# KiCad board engine-control-unit_prototype.kicad_pcb (continued)
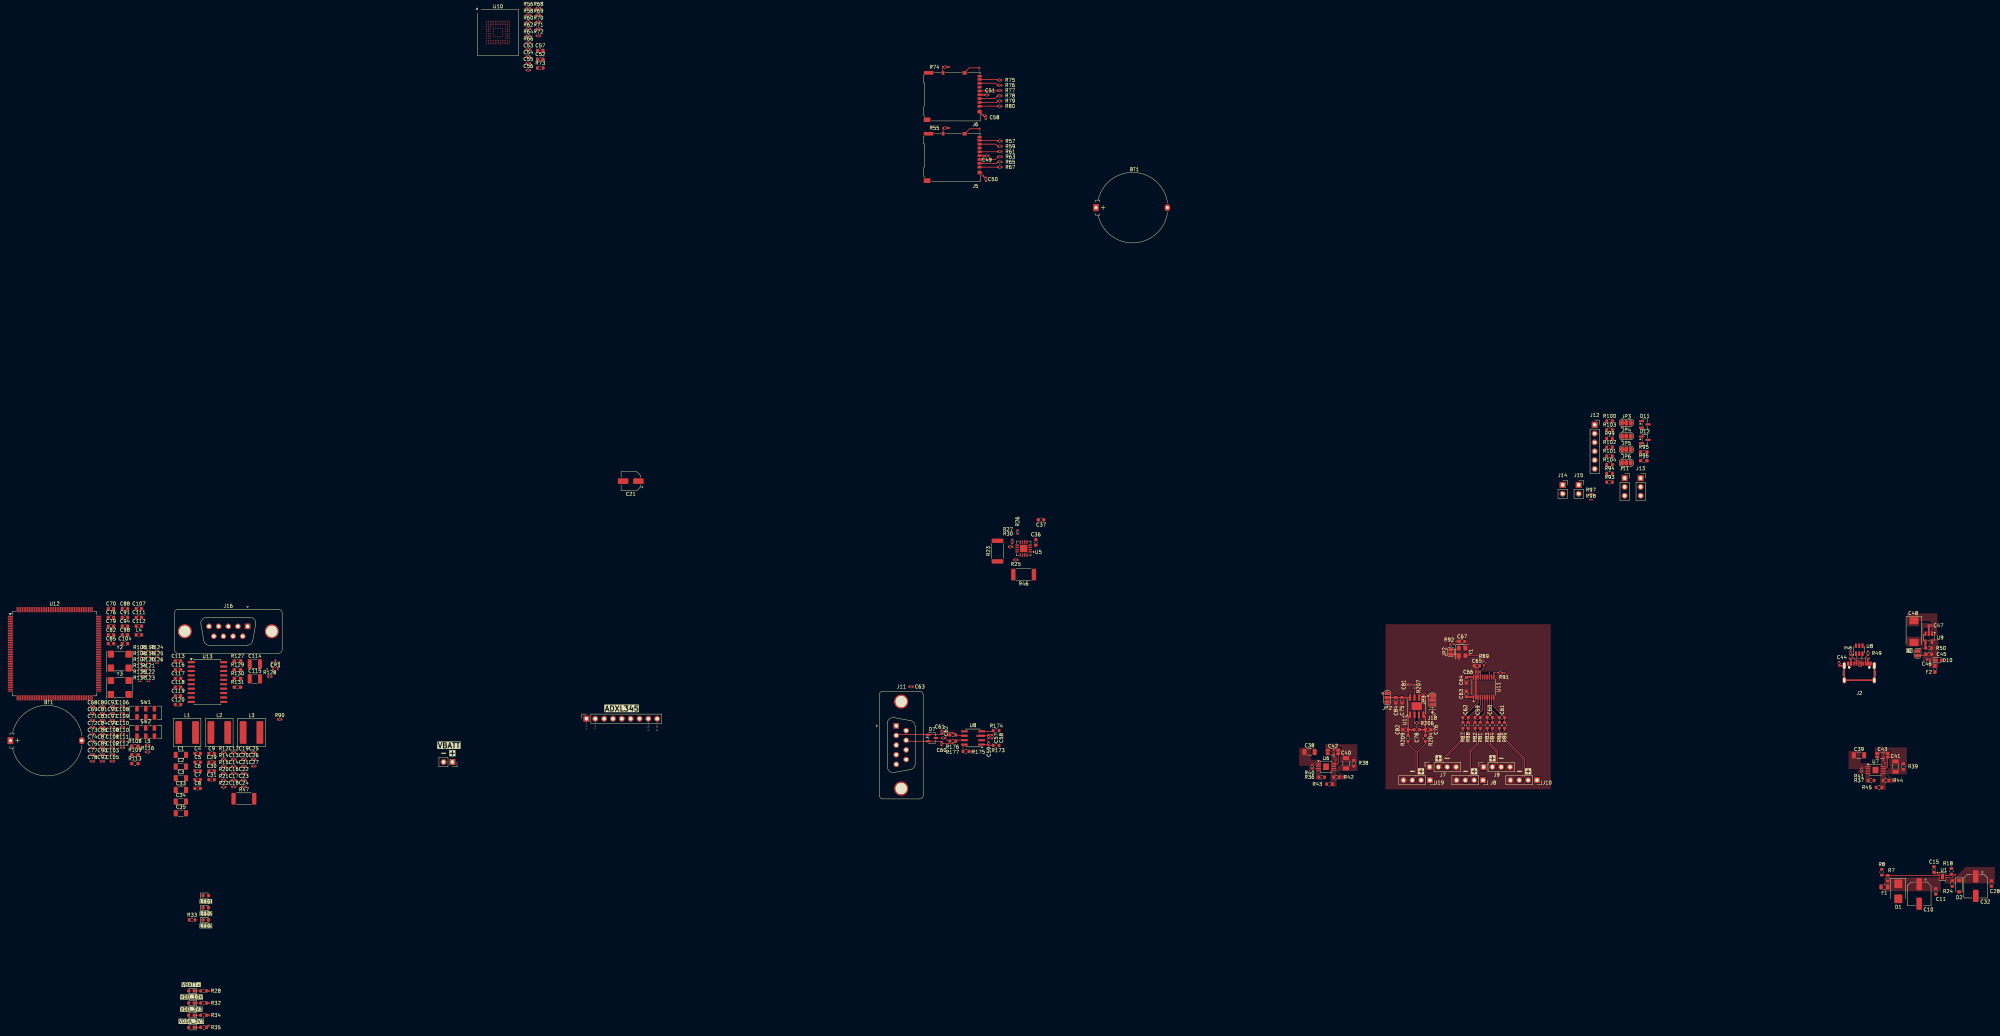
[diagram p0: board, top side]
## Library data of the parts (continued)
J7-J10 J19 = -: Description: Generic screw terminal, single row, 01x04, script generated (kicad-library-utils/schlib/autogen/connector/); ki_fp_filters: TerminalBlock*:*
J11 J13 = -: Description: Generic screw terminal, single row, 01x03, script generated (kicad-library-utils/schlib/autogen/connector/); ki_fp_filters: TerminalBlock*:*
J11#2 J16 = -: Description: 9-pin D-SUB connector, socket (female), Mounting Hole; ki_fp_filters: DSUB*Socket*
J12 = -: Description: Generic connector, single row, 01x06, script generated (kicad-library-utils/schlib/autogen/connector/); ki_fp_filters: Connector*:*_1x??_*
J18 = -: Description: Generic connector, single row, 01x01, script generated; ki_fp_filters: Connector*:*_1x??_*
JP1 JP2#2 = -: Description: Jumper, 2-pole, open; ki_fp_filters: Jumper* TestPoint*2Pads* TestPoint*Bridge*
JP2 = -: Description: Solder Jumper, 3-pole, open; ki_fp_filters: SolderJumper*Open*
JP3 JP3#2 JP4-JP6 = -: Description: 3-pole Solder Jumper, pins 1+2 closed/bridged; ki_fp_filters: SolderJumper*Bridged12*
L1-L3 = -: Description: Inductor; ki_fp_filters: Choke_* *Coil* Inductor_* L_*
L4 L5 = -: Description: Inductor with ferrite core; ki_fp_filters: Choke_* *Coil* Inductor_* L_*
R7 R8 R12 R14 R15 R18 R20-R28 R30 R32-R94 R97-R131 R173-R177 R204 R206 R207 R209 = -: Description: Resistor, US symbol; ki_fp_filters: R_*
R95 R96 = -: Description: Resistor, symbole Americain mise en boîte SMD 0603 pour montage manuel; Part Number: RMCF0603JT10K0CT-ND; ki_fp_filters: R_*
SW1 SW2 = -: Description: https://www.digikey.ca/en/products/detail/c-k/JS202011SCQN/1640098?gclsrc=aw.ds&gad_source=1&gad_campaignid=17336435733&gbraid=0AAAAADrbLlj8OxkclYa5urEdAFATW4dOv&gclid=CjwKCAiA2PrMBhA4EiwAwpHyC7--S81Czs_UjO7MLMrt4Jgue9Pzf63_5l--S7ka6VioHa3-rrtckhoCSykQAvD_BwE
U1 = -: Datasheet: https://www.ti.com/lit/ds/symlink/tps2595.pdf; Description: TPS2595xx 2.7 V to 18 V, 4-A, 34-mΩ eFuse With Fast Overvoltage Protection
U5 = -: Datasheet: http://www.ti.com/lit/ds/symlink/ina3221.pdf; Description: Triple-Channel High-Side Shunt and Bus Voltage Monitor with I2C and SMBUS Compatible Interface, QFN-16; ki_fp_filters: Texas*RGV0016A*
U6 U7 = -: Datasheet: https://www.analog.com/media/en/technical-documentation/data-sheets/3042fb.pdf; Description: 200mA, Adjustable, Ultralow Noise, Ultrahigh PSRR RF Linear Regulator, MSOP-10; ki_fp_filters: MSOP*1EP*3x3mm*P0.5mm*
U8 = -: Datasheet: http://www.ti.com/lit/ds/symlink/tcan337.pdf; Description: High-Speed CAN Transceiver with CAN FD, 5Mbps, 3.3V supply, silent mode, fault output, SOT-23-8/SOIC-8; ki_fp_filters: *TSOT?23* *SOIC*3.9x4.9mm*P1.27mm*
U8#2 = -: Datasheet: https://www.st.com/content/ccc/resource/technical/document/datasheet/06/1d/48/9c/6c/20/4a/b2/CD00050750.pdf/files/CD00050750.pdf/jcr:content/translations/en.CD00050750.pdf; Description: Very low capacitance ESD protection diode, 2 data-line, SOT-23-6; Part Number: 497-5235-1-ND; Link: https://www.digikey.ca/en/products/detail/stmicroelectronics/USBLC6-2SC6/1040559; ki_fp_filters: SOT?23*
U9 = -: Datasheet: https://www.ti.com/lit/ds/symlink/tps2051c.pdf; Description: 1.5A Current limited power switch, single channel, output discharge, reverse blocking, SOT-23-5; ki_fp_filters: SOT?23*
U10 = -: Datasheet: https://www.alliancememory.com/wp-content/uploads/AllianceMemory__32GB_64GB_128GB_ASFC32G31T3-51BIN_ASFC64G31T5-51BIN_ASFC.pdf; Description: IC FLASH 256GBIT EMMC 153FBGA; Digikey: https://www.digikey.ca/en/products/detail/alliance-memory-inc/ASFC32G31T3-51BIN/21801876
U11 = -: Datasheet: https://www.ti.com/lit/ds/symlink/ads131m04.pdf; Description: 4-Channel, 24-bit, simultaneous sampling Delta-Sigma ADC, 64kSPS, G=1..128 PGA, SPI interface, integrated 1.2V reference, TSSOP-20; ki_fp_filters: TSSOP*4.4x6.5mm?P0.65mm*
U11#2 = -: Datasheet: https://www.ti.com/lit/ds/symlink/ina826.pdf; Description: INA826 Precision, 200-μA Supply Current, 3-V to 36-V Supply Instrumentation Amplifier With Rail-to-Rail Output
U12 = -: Datasheet: https://www.st.com/en/microcontrollers-microprocessors/stm32h747-757.html; Description: The STM32H7x7 lines combine the performance of the Cortex-M7 (with double-precision floating point unit) running up to 480 MHz and the Cortex-M4 core (with single-precision floating point unit).
U13 = -: Datasheet: https://www.ti.com/lit/ds/symlink/isow1044.pdf; Description: Isolated CAN FD Transceiver, Integrated DC-DC Converter, 5Mbps, Reinforced Isolation,  SOIC-20W; ki_fp_filters: SOIC*7.5x12.8mm*P1.27mm*
Y1 = -: Datasheet: https://www.sitime.com/datasheet/SiT8924; Description: 8.192 MHz XO (Standard) LVCMOS, LVTTL Oscillator 3.3V Enable/Disable 4-SMD, No Lead; ki_fp_filters: *PQFN*3.2x2.5mm*
Y2 = -: Datasheet: http://www.abracon.com/Oscillators/ASV.pdf; Description: 3.3V HCMOS SMD Crystal Clock Oscillator, Abracon - https://www.digikey.ca/en/products/detail/abracon-llc/ASV-25-000MHZ-EJ-T/675514; ki_fp_filters: Oscillator*SMD*Abracon*ASV*7.0x5.1mm*
Y3 = -: Datasheet: http://www.abracon.com/Oscillators/ASV.pdf; Description: 3.3V HCMOS SMD Crystal Clock Oscillator, Abracon; ki_fp_filters: Oscillator*SMD*Abracon*ASV*7.0x5.1mm*

## Footprints (pads in the part's own frame, mm; a bottom-side part is the same pattern mirrored in y, then rotated)
Battery_Panasonic_CR2032-HFN_Horizontal_CircularHoles
  rect 1.6x2 hole 0.85: 1(0,0)
  oval 1.6x2 hole 0.85: 2(20.5,0)
C_0402_1005Metric
  rrect 0.56x0.62 smd: 1(-0.48,0) 2(0.48,0)
C_0603_1608Metric
  rrect 0.9x0.95 smd: 1(-0.775,0) 2(0.775,0)
C_1206_3216Metric
  rrect 1.15x1.8 smd: 1(-1.475,0) 2(1.475,0)
C_1206_3216Metric_SplitPads
  rrect 1.15x0.8 smd: 1(-1.5,0.5) 1(-1.5,-0.5) 2(1.5,0.5) 2(1.5,-0.5)
C_1210_3225Metric
  rrect 1.15x2.7 smd: 1(-1.475,0) 2(1.475,0)
CP_EIA-7343-31_Kemet-D
  rrect 2.07x2.59 smd: 1(-3.12,0) 2(3.12,0)
CP_Elec_5x4.5
  rrect 3x1.6 smd: 1(-2.2,0) 2(2.2,0)
CP_Elec_6.3x5.4
  rrect 3.5x1.6 smd: 1(-2.8,0) 2(2.8,0)
D_0603_1608Metric_Pad1.05x0.95mm_HandSolder
  rrect 1.05x0.95 smd: 1(-0.875,0) 2(0.875,0)
D_SMB
  rrect 2.5x2.3 smd: 1(-2.15,0) 2(2.15,0)
D_SOD-123
  rrect 0.9x1.2 smd: 1(-1.65,0) 2(1.65,0)
DSUB-9_Socket_Vertical_P2.77x2.84mm_MountingHoles
  round 4 hole 3.2: 0(-18.04,-1.42) 0(6.96,-1.42)
  rect 1.6x1.6 hole 1: 1(0,0)
  round 1.6 hole 1: 2(-2.77,0) 3(-5.54,0) 4(-8.31,0) 5(-11.08,0) 6(-1.385,-2.84) 7(-4.155,-2.84) 8(-6.925,-2.84) 9(-9.695,-2.84)
Fuse_0603_1608Metric_Pad1.05x0.95mm_HandSolder
  rrect 1.05x0.95 smd: 1(-0.875,0) 2(0.875,0)
Fuse_0805_2012Metric
  rrect 0.975x1.4 smd: 1(-0.938,0) 2(0.938,0)
L_0603_1608Metric
  rrect 0.875x0.95 smd: 1(-0.787,0) 2(0.787,0)
L_Coilcraft_XAL7070-XXX
  rrect 1.92x6.5 smd: 1(-2.41,0) 2(2.41,0)
LED_0603_1608Metric
  rrect 0.875x0.95 smd: 1(-0.787,0) 2(0.787,0)
LFBGA-153_11.5x13mm_Layout14x14_P0.5mm
  round 0.24 smd: A1(-3.25,3.25) A2(-2.75,3.25) A3(-2.25,3.25) A4(-1.75,3.25) A5(-1.25,3.25) A6(-0.75,3.25) A7(-0.25,3.25) A8(0.25,3.25) A9(0.75,3.25) A10(1.25,3.25) A11(1.75,3.25) A12(2.25,3.25) A13(2.75,3.25) A14(3.25,3.25) B1(-3.25,2.75) B2(-2.75,2.75) B3(-2.25,2.75) B4(-1.75,2.75) B5(-1.25,2.75) B6(-0.75,2.75) B7(-0.25,2.75) B8(0.25,2.75) B9(0.75,2.75) B10(1.25,2.75) B11(1.75,2.75) B12(2.25,2.75) B13(2.75,2.75) B14(3.25,2.75) C1(-3.25,2.25) C2(-2.75,2.25) C3(-2.25,2.25) C4(-1.75,2.25) C5(-1.25,2.25) C6(-0.75,2.25) C7(-0.25,2.25) C8(0.25,2.25) C9(0.75,2.25) C10(1.25,2.25) C11(1.75,2.25) C12(2.25,2.25) C13(2.75,2.25) C14(3.25,2.25) D1(-3.25,1.75) D2(-2.75,1.75) D3(-2.25,1.75) D4(-1.75,1.75) D12(2.25,1.75) D13(2.75,1.75) D14(3.25,1.75) E1(-3.25,1.25) E2(-2.75,1.25) E3(-2.25,1.25) E5(-1.25,1.25) E6(-0.75,1.25) E7(-0.25,1.25) E8(0.25,1.25) E9(0.75,1.25) E10(1.25,1.25) E12(2.25,1.25) E13(2.75,1.25) E14(3.25,1.25) F1(-3.25,0.75) F2(-2.75,0.75) F3(-2.25,0.75) F5(-1.25,0.75) F10(1.25,0.75) F12(2.25,0.75) F13(2.75,0.75) F14(3.25,0.75) G1(-3.25,0.25) G2(-2.75,0.25) G3(-2.25,0.25) G5(-1.25,0.25) G10(1.25,0.25) G12(2.25,0.25) G13(2.75,0.25) G14(3.25,0.25) H1(-3.25,-0.25) H2(-2.75,-0.25) H3(-2.25,-0.25) H5(-1.25,-0.25) H10(1.25,-0.25) H12(2.25,-0.25) H13(2.75,-0.25) H14(3.25,-0.25) J1(-3.25,-0.75) J2(-2.75,-0.75) J3(-2.25,-0.75) J5(-1.25,-0.75) J10(1.25,-0.75) J12(2.25,-0.75) J13(2.75,-0.75) J14(3.25,-0.75) K1(-3.25,-1.25) K2(-2.75,-1.25) K3(-2.25,-1.25) K5(-1.25,-1.25) K6(-0.75,-1.25) K7(-0.25,-1.25) K8(0.25,-1.25) K9(0.75,-1.25) K10(1.25,-1.25) K12(2.25,-1.25) K13(2.75,-1.25) K14(3.25,-1.25) L1(-3.25,-1.75) L2(-2.75,-1.75) L3(-2.25,-1.75) L12(2.25,-1.75) L13(2.75,-1.75) L14(3.25,-1.75) M1(-3.25,-2.25) M2(-2.75,-2.25) M3(-2.25,-2.25) M4(-1.75,-2.25) M5(-1.25,-2.25) M6(-0.75,-2.25) M7(-0.25,-2.25) M8(0.25,-2.25) M9(0.75,-2.25) M10(1.25,-2.25) M11(1.75,-2.25) M12(2.25,-2.25) M13(2.75,-2.25) M14(3.25,-2.25) N1(-3.25,-2.75) N2(-2.75,-2.75) N3(-2.25,-2.75) N4(-1.75,-2.75) N5(-1.25,-2.75) N6(-0.75,-2.75) N7(-0.25,-2.75) N8(0.25,-2.75) N9(0.75,-2.75) N10(1.25,-2.75) N11(1.75,-2.75) N12(2.25,-2.75) N13(2.75,-2.75) N14(3.25,-2.75) P1(-3.25,-3.25) P2(-2.75,-3.25) P3(-2.25,-3.25) P4(-1.75,-3.25) P5(-1.25,-3.25) P6(-0.75,-3.25) P7(-0.25,-3.25) P8(0.25,-3.25) P9(0.75,-3.25) P10(1.25,-3.25) P11(1.75,-3.25) P12(2.25,-3.25) P13(2.75,-3.25) P14(3.25,-3.25)
LQFP-176_24x24mm_P0.5mm
  rrect 1.5x0.3 smd: 1(-12.675,10.75) 2(-12.675,10.25) 3(-12.675,9.75) 4(-12.675,9.25) 5(-12.675,8.75) 6(-12.675,8.25) 7(-12.675,7.75) 8(-12.675,7.25) 9(-12.675,6.75) 10(-12.675,6.25) 11(-12.675,5.75) 12(-12.675,5.25) 13(-12.675,4.75) 14(-12.675,4.25) 15(-12.675,3.75) 16(-12.675,3.25) 17(-12.675,2.75) 18(-12.675,2.25) 19(-12.675,1.75) 20(-12.675,1.25) 21(-12.675,0.75) 22(-12.675,0.25) 23(-12.675,-0.25) 24(-12.675,-0.75) 25(-12.675,-1.25) 26(-12.675,-1.75) 27(-12.675,-2.25) 28(-12.675,-2.75) 29(-12.675,-3.25) 30(-12.675,-3.75) 31(-12.675,-4.25) 32(-12.675,-4.75) 33(-12.675,-5.25) 34(-12.675,-5.75) 35(-12.675,-6.25) 36(-12.675,-6.75) 37(-12.675,-7.25) 38(-12.675,-7.75) 39(-12.675,-8.25) 40(-12.675,-8.75) 41(-12.675,-9.25) 42(-12.675,-9.75) 43(-12.675,-10.25) 44(-12.675,-10.75) 89(12.675,-10.75) 90(12.675,-10.25) 91(12.675,-9.75) 92(12.675,-9.25) 93(12.675,-8.75) 94(12.675,-8.25) 95(12.675,-7.75) 96(12.675,-7.25) 97(12.675,-6.75) 98(12.675,-6.25) 99(12.675,-5.75) 100(12.675,-5.25) 101(12.675,-4.75) 102(12.675,-4.25) 103(12.675,-3.75) 104(12.675,-3.25) 105(12.675,-2.75) 106(12.675,-2.25) 107(12.675,-1.75) 108(12.675,-1.25) 109(12.675,-0.75) 110(12.675,-0.25) 111(12.675,0.25) 112(12.675,0.75) 113(12.675,1.25) 114(12.675,1.75) 115(12.675,2.25) 116(12.675,2.75) 117(12.675,3.25) 118(12.675,3.75) 119(12.675,4.25) 120(12.675,4.75) 121(12.675,5.25) 122(12.675,5.75) 123(12.675,6.25) 124(12.675,6.75) 125(12.675,7.25) 126(12.675,7.75) 127(12.675,8.25) 128(12.675,8.75) 129(12.675,9.25) 130(12.675,9.75) 131(12.675,10.25) 132(12.675,10.75)
  rrect 0.3x1.5 smd: 45(-10.75,-12.675) 46(-10.25,-12.675) 47(-9.75,-12.675) 48(-9.25,-12.675) 49(-8.75,-12.675) 50(-8.25,-12.675) 51(-7.75,-12.675) 52(-7.25,-12.675) 53(-6.75,-12.675) 54(-6.25,-12.675) 55(-5.75,-12.675) 56(-5.25,-12.675) 57(-4.75,-12.675) 58(-4.25,-12.675) 59(-3.75,-12.675) 60(-3.25,-12.675) 61(-2.75,-12.675) 62(-2.25,-12.675) 63(-1.75,-12.675) 64(-1.25,-12.675) 65(-0.75,-12.675) 66(-0.25,-12.675) 67(0.25,-12.675) 68(0.75,-12.675) 69(1.25,-12.675) 70(1.75,-12.675) 71(2.25,-12.675) 72(2.75,-12.675) 73(3.25,-12.675) 74(3.75,-12.675) 75(4.25,-12.675) 76(4.75,-12.675) 77(5.25,-12.675) 78(5.75,-12.675) 79(6.25,-12.675) 80(6.75,-12.675) 81(7.25,-12.675) 82(7.75,-12.675) 83(8.25,-12.675) 84(8.75,-12.675) 85(9.25,-12.675) 86(9.75,-12.675) 87(10.25,-12.675) 88(10.75,-12.675) 133(10.75,12.675) 134(10.25,12.675) 135(9.75,12.675) 136(9.25,12.675) 137(8.75,12.675) 138(8.25,12.675) 139(7.75,12.675) 140(7.25,12.675) 141(6.75,12.675) 142(6.25,12.675) 143(5.75,12.675) 144(5.25,12.675) 145(4.75,12.675) 146(4.25,12.675) 147(3.75,12.675) 148(3.25,12.675) 149(2.75,12.675) 150(2.25,12.675) 151(1.75,12.675) 152(1.25,12.675) 153(0.75,12.675) 154(0.25,12.675) 155(-0.25,12.675) 156(-0.75,12.675) 157(-1.25,12.675) 158(-1.75,12.675) 159(-2.25,12.675) 160(-2.75,12.675) 161(-3.25,12.675) 162(-3.75,12.675) 163(-4.25,12.675) 164(-4.75,12.675) 165(-5.25,12.675) 166(-5.75,12.675) 167(-6.25,12.675) 168(-6.75,12.675) 169(-7.25,12.675) 170(-7.75,12.675) 171(-8.25,12.675) 172(-8.75,12.675) 173(-9.25,12.675) 174(-9.75,12.675) 175(-10.25,12.675) 176(-10.75,12.675)
microSD_HC_Hirose_DM3AT-SF-PEJM5
  rect 0.7x1.2 smd: 1(2.775,7.725) 2(1.675,7.725) 3(0.575,7.725) 4(-0.525,7.725) 5(-1.625,7.725) 6(-2.725,7.725) 7(-3.825,7.725) 8(-4.925,7.725) 9(-5.875,7.725)
  rect 1x0.8 smd: 10(-6.825,-2.775)
  rect 1x1.2 smd: 11(-6.825,3.425) 11(4.325,7.725)
  rect 1x2.8 smd: 11(-6.825,-6.925)
  rect 1.3x1.9 smd: 11(6.675,-7.375)
MSOP-10-1EP_3x3mm_P0.5mm_EP1.68x1.88mm
  rrect 0.68x0.76 smd: (-0.42,0.47) (-0.42,-0.47) (0.42,0.47) (0.42,-0.47)
  rrect 1.45x0.3 smd: 1(-2.15,1) 2(-2.15,0.5) 3(-2.15,0) 4(-2.15,-0.5) 5(-2.15,-1) 6(2.15,-1) 7(2.15,-0.5) 8(2.15,0) 9(2.15,0.5) 10(2.15,1)
  rect 1.68x1.88 smd: 11(0,0)
Oscillator_SMD_Abracon_ASV-4Pin_7.0x5.1mm
  rrect 1.8x2 smd: 1(-2.54,-2) 2(2.54,-2) 3(2.54,2) 4(-2.54,2)
Oscillator_SMD_SiT_PQFN-4Pin_3.2x2.5mm
  rrect 1.4x1.2 smd: 1(-1.1,-0.95) 2(1.1,-0.95) 3(1.1,0.95) 4(-1.1,0.95)
PinHeader_1x01_P1.00mm_Vertical
  rect 0.85x0.85 hole 0.5: 1(0,0)
PinSocket_1x02_P2.54mm_Vertical
  rect 1.7x1.7 hole 1: 1(0,0)
  round 1.7 hole 1: 2(0,-2.54)
PinSocket_1x03_P2.54mm_Vertical
  rect 1.7x1.7 hole 1: 1(0,0)
  round 1.7 hole 1: 2(0,-2.54) 3(0,-5.08)
PinSocket_1x04_P2.54mm_Vertical
  rect 1.7x1.7 hole 1: 1(0,0)
  round 1.7 hole 1: 2(0,-2.54) 3(0,-5.08) 4(0,-7.62)
PinSocket_1x06_P2.54mm_Vertical
  rect 1.7x1.7 hole 1: 1(0,0)
  round 1.7 hole 1: 2(0,-2.54) 3(0,-5.08) 4(0,-7.62) 5(0,-10.16) 6(0,-12.7)
PinSocket_1x09_P2.54mm_Vertical
  rect 1.7x1.7 hole 1: 1(0,0)
  round 1.7 hole 1: 2(0,-2.54) 3(0,-5.08) 4(0,-7.62) 5(0,-10.16) 6(0,-12.7) 7(0,-15.24) 8(0,-17.78) 9(0,-20.32)
R_0201_0603Metric
  rrect 0.318x0.36 smd: (-0.345,0) (0.345,0)
  rrect 0.46x0.4 smd: 1(-0.32,0) 2(0.32,0)
R_0402_1005Metric
  rrect 0.54x0.64 smd: 1(-0.51,0) 2(0.51,0)
R_0603_1608Metric
  rrect 0.8x0.95 smd: 1(-0.825,0) 2(0.825,0)
R_0603_1608Metric_Pad0.98x0.95mm_HandSolder
  rrect 0.975x0.95 smd: 1(-0.912,0) 2(0.912,0)
R_2512_6332Metric
  rrect 1.225x3.35 smd: 1(-2.962,0) 2(2.962,0)
SOIC-8-1EP_3.9x4.9mm_P1.27mm_EP2.29x3mm
  rrect 0.92x1.21 smd: (-0.57,0.75) (-0.57,-0.75) (0.57,0.75) (0.57,-0.75)
  rrect 1.95x0.6 smd: 1(-2.475,1.905) 2(-2.475,0.635) 3(-2.475,-0.635) 4(-2.475,-1.905) 5(2.475,-1.905) 6(2.475,-0.635) 7(2.475,0.635) 8(2.475,1.905)
  rect 2.29x3 smd: 9(0,0)
SOIC-8_3.9x4.9mm_P1.27mm
  rrect 1.95x0.6 smd: 1(-2.475,1.905) 2(-2.475,0.635) 3(-2.475,-0.635) 4(-2.475,-1.905) 5(2.475,-1.905) 6(2.475,-0.635) 7(2.475,0.635) 8(2.475,1.905)
SOIC-20W_7.5x12.8mm_P1.27mm
  rrect 2.05x0.6 smd: 1(-4.65,5.715) 2(-4.65,4.445) 3(-4.65,3.175) 4(-4.65,1.905) 5(-4.65,0.635) 6(-4.65,-0.635) 7(-4.65,-1.905) 8(-4.65,-3.175) 9(-4.65,-4.445) 10(-4.65,-5.715) 11(4.65,-5.715) 12(4.65,-4.445) 13(4.65,-3.175) 14(4.65,-1.905) 15(4.65,-0.635) 16(4.65,0.635) 17(4.65,1.905) 18(4.65,3.175) 19(4.65,4.445) 20(4.65,5.715)
SolderJumper-2_P1.3mm_Open_RoundedPad1.0x1.5mm
  custom 1x1.5 smd: 1(-0.65,0) 2(0.65,0)
SolderJumper-2_P1.3mm_Open_RoundedPad1.0x1.5mm#2
  custom 1x1.5 smd: 1(-0.65,0) 2(0.65,0)
SolderJumper-3_P1.3mm_Bridged12_RoundedPad1.0x1.5mm
  custom 1.05x1.5 smd: 1(-1.3,0) 3(1.3,0)
  rect 1x1.5 smd: 2(0,0)
SolderJumper-3_P1.3mm_Open_RoundedPad1.0x1.5mm
  custom 1.05x1.5 smd: 1(-1.3,0) 3(1.3,0)
  rect 1x1.5 smd: 2(0,0)
SOT323-3L_STM
  rect 0.457x1.016 smd: 1(-0.65,-1.041) 2(0.65,-1.041) 3(0,1.041)
SOT-23
  rrect 1.475x0.6 smd: 1(-0.938,0.95) 2(-0.938,-0.95) 3(0.938,0)
SOT-23-3
  rrect 1.325x0.6 smd: 1(-1.137,0.95) 2(-1.137,-0.95) 3(1.137,0)
SOT-23-5
  rrect 1.325x0.6 smd: 1(-1.137,0.95) 2(-1.137,0) 3(-1.137,-0.95) 4(1.137,-0.95) 5(1.137,0.95)
SOT-23-6
  rrect 1.325x0.6 smd: 1(-1.137,0.95) 2(-1.137,0) 3(-1.137,-0.95) 4(1.137,-0.95) 5(1.137,0) 6(1.137,0.95)
SW_DPDT_CK_JS202011JCQN
  rect 1x1.6 smd: 1(-2.5,1.2) 2(0,1.2) 3(2.5,1.2) 4(-2.5,-1.2) 5(0,-1.2) 6(2.5,-1.2)
Texas_RGV0016A_VQFN-16-1EP_4x4mm_P0.65mm_EP2.1x2.1mm
  rrect 0.85x0.85 smd: (-0.525,0.525) (-0.525,-0.525) (0.525,0.525) (0.525,-0.525)
  rrect 1.025x0.35 smd: 1(-1.863,0.975) 2(-1.863,0.325) 3(-1.863,-0.325) 4(-1.863,-0.975) 9(1.863,-0.975) 10(1.863,-0.325) 11(1.863,0.325) 12(1.863,0.975)
  rrect 0.35x1.025 smd: 5(-0.975,-1.863) 6(-0.325,-1.863) 7(0.325,-1.863) 8(0.975,-1.863) 13(0.975,1.863) 14(0.325,1.863) 15(-0.325,1.863) 16(-0.975,1.863)
  rect 2.1x2.1 smd: 17(0,0)
TSSOP-20_4.4x6.5mm_P0.65mm
  rrect 1.475x0.4 smd: 1(-2.862,2.925) 2(-2.862,2.275) 3(-2.862,1.625) 4(-2.862,0.975) 5(-2.862,0.325) 6(-2.862,-0.325) 7(-2.862,-0.975) 8(-2.862,-1.625) 9(-2.862,-2.275) 10(-2.862,-2.925) 11(2.862,-2.925) 12(2.862,-2.275) 13(2.862,-1.625) 14(2.862,-0.975) 15(2.862,-0.325) 16(2.862,0.325) 17(2.862,0.975) 18(2.862,1.625) 19(2.862,2.275) 20(2.862,2.925)
USB_C_Receptacle_GCT_USB4105-xx-A_16P_TopMnt_Horizontal
  round 0.65 hole 0.65 unplated: (-2.89,2.605) (2.89,2.605)
  rrect 0.6x1.15 smd: A1(-3.2,3.68) A4(-2.4,3.68) A9(2.4,3.68) A12(3.2,3.68) B1(3.2,3.68) B4(2.4,3.68) B9(-2.4,3.68) B12(-3.2,3.68)
  rrect 0.3x1.15 smd: A5(-1.25,3.68) A6(-0.25,3.68) A7(0.25,3.68) A8(1.25,3.68) B5(1.75,3.68) B6(0.75,3.68) B7(-0.75,3.68) B8(-1.75,3.68)
  oval 1x2.1 hole 0.6x1.7: S1(-4.32,3.105) S1(4.32,3.105)
  oval 1x1.8 hole 0.6x1.4: S1(-4.32,-1.075) S1(4.32,-1.075)
WSON-8-1EP_2x2mm_P0.5mm_EP0.9x1.6mm
  rect 0.75x0.65 smd: (0,0.4) (0,-0.4)
  rrect 0.5x0.25 smd: 1(-0.95,0.75) 2(-0.95,0.25) 3(-0.95,-0.25) 4(-0.95,-0.75) 5(0.95,-0.75) 6(0.95,-0.25) 7(0.95,0.25) 8(0.95,0.75)
  rect 0.9x1.6 smd: 9(0,0)

## Nets
3V3: C69.1 C71.1 C72.1 C73.1 C75.1 C77.1 C79.1 C80.1 C81.1 C82#2.1 C83.1 C84#2.1 C85.1 C86.1 C87.1 C88.1 C89.1 C90.1 C91.1 C92.1 C93.1 C94.1 C95.1 C97.1 C98.1 C99.1 C101.1 C103.1 C105.1 C106.1 C109.1 C113.1 L5.1 R108.1 R110.1 R111.1 R127.1 SW1.3 SW2.3 U12.7 U12.13 U12.25 U12.44 U12.48 U12.65 U12.71 U12.84 U12.92 U12.99 U12.113 U12.126 U12.136 U12.152 U12.160 U12.176 U13.1 Y2.4 Y3.4
3V3A_MCU: C68.1 L5.2 U12.40
5V: C116.2 C117.2 C118.2 U13.9
GND: BT1#2.2 C1.2 C2.2 C3.2 C4.2 C5.2 C6.2 C7.2 C8.2 C9.2 C10.2 C11.2 C12.2 C13.2 C14.2 C15.2 C21.2 C22.2 C23.2 C24.2 C25.2 C26.2 C27.2 C28.2 C29.2 C30.2 C31.2 C32.2 C33.2 C34.2 C35.2 C36.2 C37.1 C38.2 C39.2 C40.2 C41.2 C42.2 C43.2 C44.1 C45.2 C46.2 C47.2 C48.2 C49.1 C50.2 C51.1 C52.2 C53.2 C54.2 C55.2 C56.2 C57.1 C57#2.2 C58.2 C58#2.2 C59#2.1 C60#2.1 C61.1 C62#2.1 C63.1 C63#2.1 C64.2 C65.1 C66.1 C67.1 C68.2 C69.2 C71.2 C72.2 C73.2 C74.2 C75.2 C75#2.1 C76.1 C76#2.2 C77.2 C78.2 C79.2 C80.2 C81.2 C81#2.1 C82.1 C82#2.2 C83.2 C84.1 C84#2.2 C85.2 C86.2 C87.2 C88.2 C89.2 C90.2 C91.2 C92.2 C93.2 C94.2 C95.2 C97.2 C98.2 C99.2 C100.2 C101.2 C102.2 C103.2 C104.2 C105.2 C106.2 C107.2 C108.2 C109.2 C110.2 C111.2 C112.2 C113.2 C114.1 C115.1 C116.1 C117.1 C118.1 D1.2 D2.2 D7#2.3 D10.2 D11.1 D12.1 J1.2 J2.A1 J2.A12 J2.B1 J2.B12 J5.6 J5.9 J6.6 J6.9 J7.4 J8.4 J9.4 J10.4 J11.3 J11#2.3 J13.3 J19.4 JP1.1 JP2#2.1 JP3#2.1 R8.2 R12.2 R14.2 R15.2 R18.2 R24.2 R28.2 R32.2 R33.2 R34.2 R35.2 R36.2 R37.2 R38.2 R39.2 R43.2 R45.2 R48.1 R49.2 R54.1 R73.1 R95.2 R96.2 R98.2 R101.1 R104.1 R129.2 SW1.1 SW2.1 U1.8 U5.3 U5.5 U5.17 U6.8 U6.11 U7.8 U7.11 U8.2 U8#2.2 U9.2 U10.A6 U10.C4 U10.E7 U10.G5 U10.H10 U10.J5 U10.K8 U10.N2 U10.N5 U10.P4 U10.P6 U11.2 U11.19 U11#2.5 U12.6 U12.12 U12.14 U12.24 U12.38 U12.45 U12.47 U12.64 U12.70 U12.81 U12.83 U12.93 U12.100 U12.103 U12.104 U12.105 U12.106 U12.107 U12.109 U12.112 U12.119 U12.134 U12.137 U12.151 U12.159 U12.173 U13.6 U13.10 Y1.2 Y2.2 Y3.2
VBAT_SAFE: C1.1 C2.1 C3.1 C4.1 C5.1 C6.1 C28.1 C32.1 D2.1 R24.1 U1.5
VDD33_USB: C74.1 U12.121
VDD50_USB: C47.1 C48.1 C78.1 U8#2.5 U9.1 U12.120
VDD_3V3: C36.1 C37.2 C49.2 C51.2 C52.1 C53.1 C54.1 C55.1 C56.1 C57.2 C57#2.1 C58.1 C64.1 C67.2 D8.2 D11.2 D12.2 J5.4 J6.4 L4.2 R23.2 R25.1 R26.1 R27.1 R51.1 R52.1 R53.1 R55.1 R56.1 R57.1 R58.1 R59.1 R60.1 R61.1 R62.1 R63.1 R64.1 R65.1 R66.1 R67.1 R68.1 R69.1 R70.1 R71.1 R72.1 R74.1 R75.1 R76.1 R77.1 R78.1 R79.1 R80.1 R90.1 R91.1 R92.1 R94.1 R97.1 R105.1 R106.1 R175.2 U5.4 U5.11 U8.3 U10.C2 U10.C6 U10.E6 U10.F5 U10.J10 U10.K9 U10.M4 U10.N4 U10.P3 U10.P5 U11.20 Y1.4
VDD_10V: D6.2 J7.1 J8.1 J9.1 J10.1 J19.1 JP2.3 R46.2 U5.14
VDD_MCU: C21.1 C76.2 R106.2 U12.16 U12.82 U12.135 U12.175
VDDA: C75#2.2 C84.2 JP2.2 U11#2.8
VDDA_3V3: C63#2.2 D9.2 JP2.1 R47.2 U5.1 U11.1
VDDA_MCU: R105.2 R107.1
+BATT1: D3.2 F1.1 J1.1 J14.1 J15.1 R100.1 R103.1
/ADC/ADS_SYNC/RESET: R91.2 U11.11
/ADC/IN1+: J19.2 R204.2
/ADC/IN1-: J19.3 R209.2
/ADC/IN2+: J7.2 R87.2
/ADC/IN2-: J7.3 R88.2
/ADC/IN3+: J8.2 R81.2
/ADC/IN3-: J8.3 R82.2
/ADC/IN4+: J9.2 R83.2
/ADC/IN4-: J9.3 R84.2
/ADC/IN5+: J10.2 R85.2
/ADC/IN5-: J10.3 R86.2
/ADC/PT1: C81#2.2 R207.1
/CAN FD/CAN.RXD: R128.1
/CAN FD/CAN.TXD: U13.3
/CAN FD/CAN_N: CR1.2 J16.1 J16.2 R131.1 U13.18
/CAN FD/CAN_P: CR1.1 J16.6 J16.7 R131.2 U13.19
/COMMUNICATION/ADXL_CS: J4.3
/COMMUNICATION/ADXL_SCL: J4.9 R52.2
/COMMUNICATION/ADXL_SDA: J4.8 R51.2
/COMMUNICATION/ADXL_SDO: J4.7
/COMMUNICATION/CANH: C60#2.2 D7#2.2 J11#2.7 R177.1 U8.7
/COMMUNICATION/CANL: C61.2 D7#2.1 J11#2.2 R176.1 U8.6
/COMMUNICATION/RCP_IN: C45.1 C46.1 D10.1 F2.2 R50.1 U9.5
/COMMUNICATION/TCAN_STBY: R175.1 U8.8
/CONTROL/BUZZ: R93.1
/CONTROL/IPA_DATA: D11.3 J11.1 JP3.2 JP3.3 R95.1
/CONTROL/IPA_DATA_CONN: J12.2 JP3.1
/CONTROL/IPA_HEAT: JP5.2 JP5.3 R99.1
/CONTROL/IPA_HEAT_CONN: J12.4 JP5.1
/CONTROL/NOS_DATA: D12.3 J13.2 JP4.2 JP4.3 R96.1
/CONTROL/NOS_DATA_CONN: J12.3 JP4.1
/CONTROL/NOS_HEAT: JP6.2 JP6.3 R102.1
/CONTROL/NOS_HEAT_CONN: J12.5 JP6.1
/FDCAN1_RX: R173.1
/FDCAN1_TX: R174.1
/GPIO_EXTI2: U11.13
/I2C1_SCL: U5.6
/I2C1_SDA: U5.7
/MCU/BOOT0: R113.2 U12.167
/MCU/CAN.RXD: U12.168
/MCU/CAN.TXD: R116.1
/MCU/Clock_25Mhz: C108.1 R112.2 U12.31
/MCU/Clock_32.768khz: Y3.3
/MCU/I2C1_SCL: R114.1
/MCU/I2C1_SDA: R115.1
/MCU/NRST: R109.2 U12.33
/MCU/SD1.CLK: U12.142
/MCU/SD1.CMD: U12.145
/MCU/SD1.DAT0: U12.124
/MCU/SD1.DAT1: U12.125
/MCU/SD1.DAT2: U12.140
/MCU/SD1.DAT3: U12.141
/MCU/SD2.CLK: U12.149
/MCU/SD2.CMD: U12.150
/MCU/SD2.DAT0: U12.87
/MCU/SD2.DAT1: U12.88
/MCU/SD2.DAT2: U12.162
/MCU/SD2.DAT3: U12.163
/MCU/SD2.DET: U12.147
/MCU/SPI2_MISO: R118.1
/MCU/SPI2_MOSI: R119.1
/MCU/SPI2_SCK: R117.1
/MCU/USB.DM: U12.130
/MCU/USB.DP: U12.131
/PM_CRIT: R27.2 U5.9
/PM_TC: R25.2 U5.13
/PM_WARN: R26.2 U5.8
/POWER/EFUSE_FLT: U1.6
/POWER/EFUSE_VBATT: C10.1 C11.1 D1.1 F1.2 R7.1 U1.3 U1.4
/POWER/L1_L: C17.1 L2.1
/POWER/L1_R: C20.1 L2.2
/POWER/L2_L: C18.1 L3.1
/POWER/L2_R: C21#2.1 L3.2
/POWER/L3_L: C16.1 L1.1
/POWER/L3_R: C19.1 L1.2
/POWER/LDO3V3A_CSET: C41.1 R39.1 U7.7
/POWER/LDO3V3A_ILIM: R37.1 U7.5
/POWER/LDO3V3A_PG: R41.2 U7.4
/POWER/LDO3V3A_PGFB: R44.2 R45.1 U7.6
/POWER/LDO10V_CSET: C40.1 R38.1 U6.7
/POWER/LDO10V_ILIM: R36.1 U6.5
/POWER/LDO10V_PG: R40.2 U6.4
/POWER/LDO10V_PGFB: R42.2 R43.1 U6.6
/POWER/LED1: D4.2
/POWER/LED2: D5.2
/POWER/LED3: D7.2
/POWER/Psense1_IN+: C29.1 C33.1 R23.1 U5.12
/POWER/Psense2_IN+: C42.1 R42.1 R46.1 U5.15 U6.9 U6.10
/POWER/Psense3_IN+: C43.1 R44.1 R47.1 U5.2 U7.9 U7.10
/POWER/TPS3V3_VCC: C7.1
/POWER/TPS3V3A_VCC: C9.1
/POWER/TPS3V3A_VOUT: C31.1 C35.1
/POWER/TPS10V_VCC: C8.1
/POWER/TPS10V_VOUT: C30.1 C34.1
/SD1_DET: J5.10 R55.2
/SD2_DET: J6.10 R74.2
/SDMMC1_CK: J5.5 R61.2
/SDMMC1_CMD: J5.3 R63.2
/SDMMC1_D0: J5.7 R59.2
/SDMMC1_D1: J5.8 R57.2
/SDMMC1_D2: J5.1 R67.2
/SDMMC1_D3: J5.2 R65.2
/SDMMC2_CK: J6.5 R77.2
/SDMMC2_CMD: J6.3 R78.2
/SDMMC2_D0: J6.7 R76.2
/SDMMC2_D1: J6.8 R75.2
/SDMMC2_D2: J6.1 R80.2
/SDMMC2_D3: J6.2 R79.2
/SPI1_MISO: U11.15
/SPI1_MOSI: U11.16
/SPI1_NSS: R90.2 U11.12
/SPI1_SCK: U11.14
/STORAGE/eMMC_CLK: R56.2 U10.M6
/STORAGE/eMMC_CMD: R58.2 U10.M5
/STORAGE/eMMC_DAT0: R60.2 U10.A3
/STORAGE/eMMC_DAT1: R62.2 U10.A4
/STORAGE/eMMC_DAT2: R64.2 U10.A5
/STORAGE/eMMC_DAT3: R66.2 U10.B2
/STORAGE/eMMC_DAT4: R68.2 U10.B3
/STORAGE/eMMC_DAT5: R69.2 U10.B4
/STORAGE/eMMC_DAT6: R70.2 U10.B5
/STORAGE/eMMC_DAT7: R71.2 U10.B6
/STORAGE/eMMC_RST: R72.2 U10.K5
/TCAN_FLT: U8.5
/USB_D+: U8#2.4
/USB_D-: U8#2.6
CHASSIS_CAN: C114.2 C115.2 C119.1 C120.1 CR1.3 J16.0 J16.3 J16.8 U13.11 U13.15 U13.16 U13.17
VREF+: C100.1 L4.1 R107.2 U12.39
Net-(BT1--): BT1.2 C70.1
Net-(C25-Pad1): C25.1 R20.2
Net-(C26-Pad1): C26.1 R21.2
Net-(C27-Pad1): C27.1 R22.2
Net-(C62-Pad2): C62#2.2 R176.2 R177.2
Net-(C104-Pad1): C104.1 U12.172
Net-(C107-Pad1): C107.1 U12.133
Net-(C111-Pad1): C111.1 U12.80
Net-(D3-K): D3.1 R28.1
Net-(D4-K): D4.1
Net-(D5-K): D5.1
Net-(D6-K): D6.1 R32.1
Net-(D7-K): D7.1 R33.1
Net-(D8-K): D8.1 R34.1
Net-(D9-K): D9.1 R35.1
Net-(F2-Pad1): F2.1 J2.A4 J2.A9 J2.B4 J2.B9
Net-(J2-CC1): J2.A5 R48.2
Net-(J2-CC2): J2.B5 R49.1
Net-(J2-D+-PadA6): J2.A6 J2.B6 U8#2.3
Net-(J2-D--PadA7): J2.A7 J2.B7 U8#2.1
Net-(J2-SHIELD): C44.2 J2.S1
Net-(J4-Pin_1): J4.1 R54.2
Net-(J4-Pin_2): J4.2 R53.2
Net-(J5-SHIELD): C50.1 J5.11
Net-(J6-SHIELD): C58#2.1 J6.11
Net-(J11-PAD): C63.2 J11#2.0 J11#2.5
Net-(J12-Pin_1): J12.1 R97.2
Net-(J12-Pin_6): J12.6 R98.1
Net-(J14-Pin_2): J14.2
Net-(J15-Pin_2): J15.2
Net-(J18-Pin_1): J18.1 JP3#2.3
Net-(JP1-B): JP1.2 R50.2 U9.4
Net-(JP2-B): JP2#2.2 R92.2 Y1.1
Net-(JP3-C): JP3#2.2 U11#2.6
Net-(Q1-B): R93.2
Net-(Q1-C): R94.2
Net-(Q2-B): R99.2
Net-(Q2-C): R100.2
Net-(Q2-E): R101.2
Net-(Q4-B): R102.2
Net-(Q4-C): R103.2
Net-(Q4-E): R104.2
Net-(SW1-B): C102.1 R109.1 SW1.2
Net-(SW2-B): C110.1 R113.1 SW2.2
Net-(U1-dVdt): C15.1 U1.1
Net-(U1-EN/UVLO): R7.2 R8.1 U1.2
Net-(U1-ILM): R18.1 U1.7
Net-(U1A-VBAT): BT1#2.1
Net-(U2-BOOT1): C16.2
Net-(U2-BOOT2): C19.2
Net-(U2-COMP): C22.1 R20.1
Net-(U2-EN/UVLO): C12.1
Net-(U2-MODE): R12.1
Net-(U3-BOOT1): C17.2
Net-(U3-BOOT2): C20.2
Net-(U3-COMP): C23.1 R21.1
Net-(U3-EN/UVLO): C13.1
Net-(U3-MODE): R14.1
Net-(U4-BOOT1): C18.2
Net-(U4-BOOT2): C21#2.2
Net-(U4-COMP): C24.1 R22.1
Net-(U4-EN/UVLO): C14.1
Net-(U4-MODE): R15.1
Net-(U5-PV): R30.2 U5.10
Net-(U5-VPU): R30.1 U5.16
Net-(U6-EN/UV): C38.1 R40.1 U6.1 U6.2 U6.3
Net-(U7-EN/UV): C39.1 R41.1 U7.1 U7.2 U7.3
Net-(U8-RXD): R174.2 U8.4
Net-(U8-TXD): C59#2.2 R173.2 U8.1
Net-(U10B-DS): R73.2 U10.H5
Net-(U11-+): C76#2.1 C78#2.2 R204.1 U11#2.4
Net-(U11--): C78#2.1 C82.2 R209.1 U11#2.1
Net-(U11-AIN0N): C62.1 R88.1 U11.4
Net-(U11-AIN0P): C62.2 R87.1 U11.3
Net-(U11-AIN1N): C59.1 R82.1 U11.5
Net-(U11-AIN1P): C59.2 R81.1 U11.6
Net-(U11-AIN2N): C60.1 R84.1 U11.8
Net-(U11-AIN2P): C60.2 R83.1 U11.7
Net-(U11-AIN3N): C61#2.1 R86.1 U11.9
Net-(U11-AIN3P): C61#2.2 R85.1 U11.10
Net-(U11-CAP): C65.2 U11.18
Net-(U11-CLKIN): C66.2 R89.2 U11.17
Net-(U11-RG+): R206.1 U11#2.2
Net-(U11-RG-): R206.2 U11#2.3
Net-(U11-VOUT): R207.2 U11#2.7
Net-(U12A-VBAT): BT1.1 C70.2 U12.8
Net-(U12B-PDR_ON): R108.2 U12.174
Net-(U12B-VCAPDSI): C112.1 U12.101
Net-(U12D-PB6): R114.2 U12.165
Net-(U12D-PB7): R115.2 U12.166
Net-(U12D-PB9): R116.2 U12.169
Net-(U12D-PB10): R117.2 U12.78
Net-(U12D-PC2_C): R118.2 U12.36
Net-(U12D-PC3_C): R119.2 U12.37
Net-(U12D-PC4): R120.2 U12.53
Net-(U12D-PC5): R121.2 U12.54
Net-(U12D-PC6): R122.2 U12.122
Net-(U12D-PC7): R123.2 U12.123
Net-(U12D-PC13): R124.2 U12.9
Net-(U12D-PC14): R125.2 U12.10
Net-(U12D-PC15): R126.2 U12.11
Net-(U13-EN/FLT): R127.2 U13.8
Net-(U13-RXD): R128.2 U13.5
Net-(U13-STB): R129.1 U13.4
Net-(U13-VISOIN): C119.2 C120.2 R130.1 U13.20
Net-(U13-VISOOUT): R130.2 U13.12 U13.13
Net-(Y1-OUT): R89.1 Y1.3
Net-(Y2-EN): R110.2 Y2.1
Net-(Y2-OUT): R112.1 Y2.3
Net-(Y3-EN): R111.2 Y3.1

Pads without a net: J2 A8 B8; J4 4 5 6; J11 2; J11#2 1 4 6 8 9; J13 1; J16 4 5 9; R120 1; R121 1; R122 1; R123 1; R124 1; R125 1; R126 1; SW1 4 5 6; SW2 4 5 6; U1 9; U9 3; U10 A1 A2 A7 A8 A9 A10 A11 A12 A13 A14 B1 B7 B8 B9 B10 B11 B12 B13 B14 C1 C3 C5 C7 C8 C9 C10 C11 C12 C13 C14 D1 D2 D3 D4 D12 D13 D14 E1 E2 E3 E5 E8 E9 E10 E12 E13 E14 F1 F2 F3 F10 F12 F13 F14 G1 G2 G3 G10 G12 G13 G14 H1 H2 H3 H12 H13 H14 J1 J2 J3 J12 J13 J14 K1 K2 K3 K6 K7 K10 K12 K13 K14 L1 L2 L3 L12 L13 L14 M1 M2 M3 M7 M8 M9 M10 M11 M12 M13 M14 N1 N3 N6 N7 N8 N9 N10 N11 N12 N13 N14 P1 P2 P7 P8 P9 P10 P11 P12 P13 P14; U11#2 9; U12 1 2 3 4 5 15 17 18 19 20 21 22 23 26 27 28 29 30 32 34 35 41 42 43 46 49 50 51 52 55 56 57 58 59 60 61 62 63 66 67 68 69 72 73 74 75 76 77 79 85 86 89 90 91 94 95 96 97 98 102 108 110 111 114 115 116 117 118 127 128 129 132 138 139 143 144 146 148 153 154 155 156 157 158 161 164 170 171; U13 2 7 14

## Via types
v1: diameter 0.6, hole 0.3, Top to Bottom, 33 vias
v2: diameter 0.4, hole 0.2, Top to Bottom, 2 vias

## Routing (per net, layer and track width the routed paths; a pad name or vN(x,y) marks a point on that pad's centre or on a via; arc(x,y) is an arc through that point)
GND: length 21
  Top w0.2: C65.1 420.62,103.92 421.1,103.45 U11.19 ; C67.1 v1(415.65,110.95) ; 56.34,0.5 v1(57.02,0.5) ; 550.48,107.3 550.08,106.9 JP1.1 ; JP2#2.1 415.75,107.3 Y1.2 416.2,106 v1(416.15,105.95) ; R34.2 v1(57.02,3.5) ; R32.2 v1(57.02,7) ; v1(57.02,10.5) R28.2
  Top w0.4: U11.2 U11.19
  Top w0.5: U9.2 551.25,115.55
